# Altium PCB Tub_Board.PcbDoc (part 1 of 2) (continued)
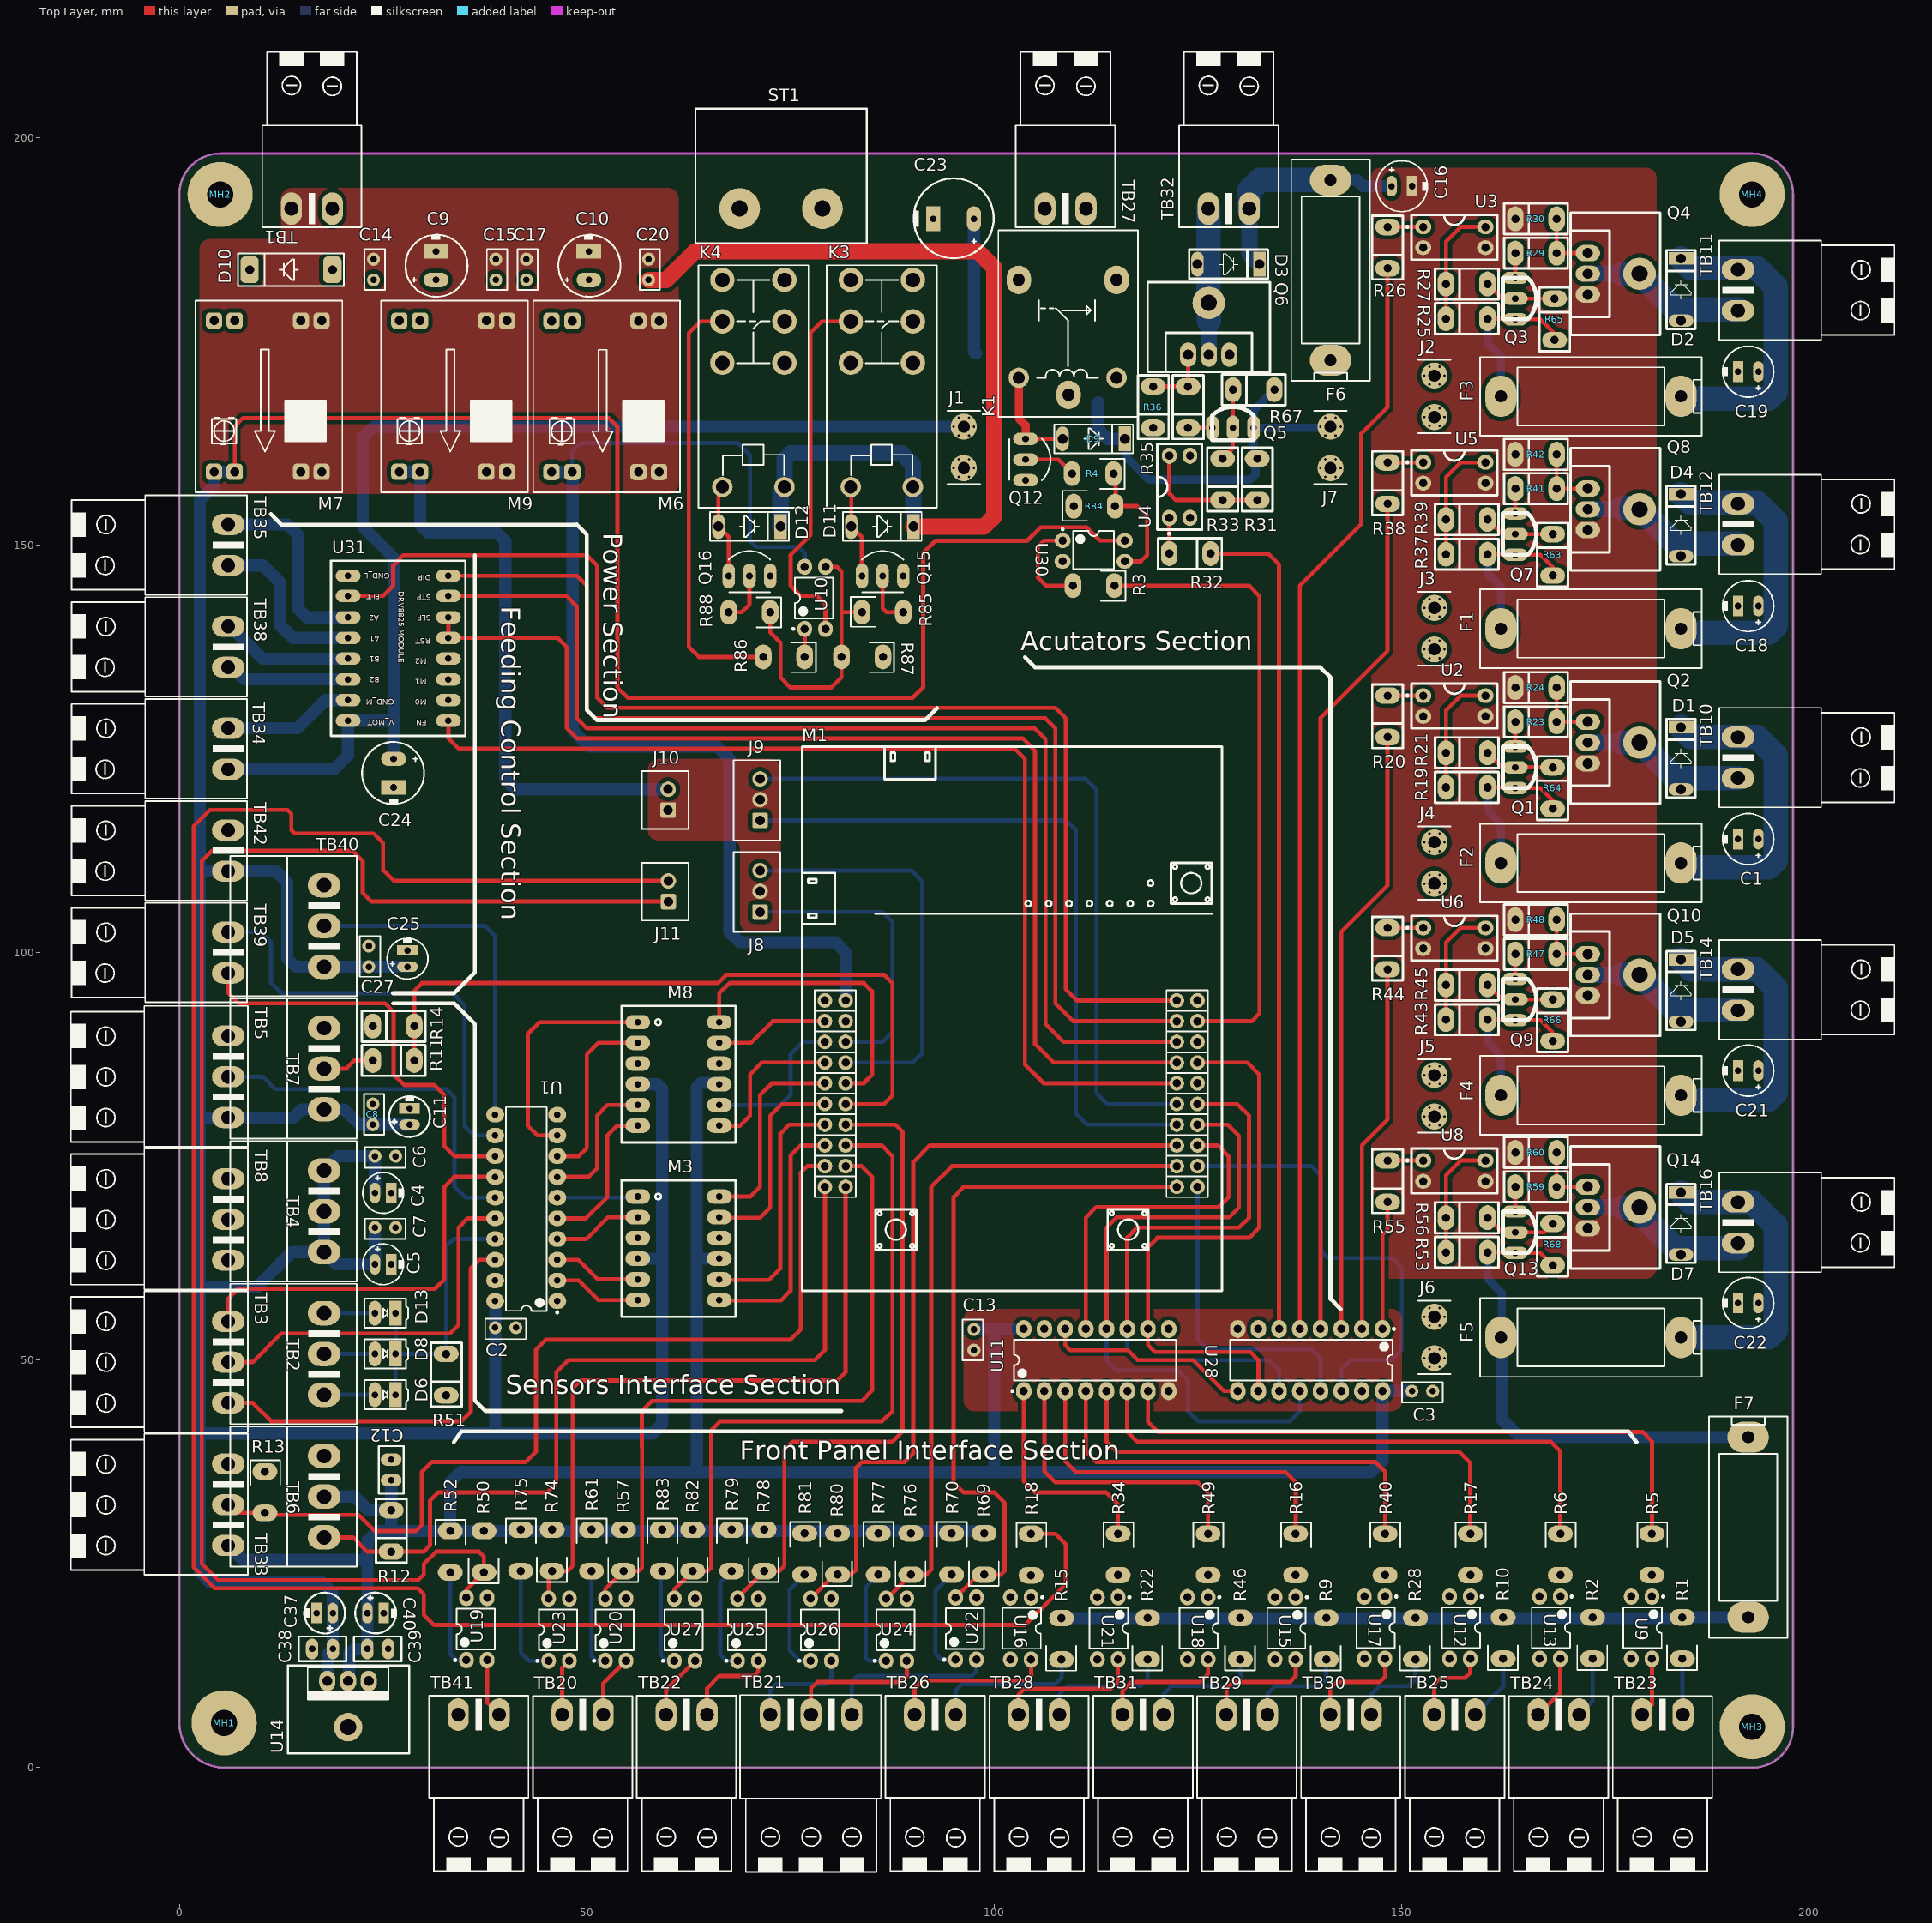
[diagram p0: Top Layer view]
## Components (designator, comment, footprint, x,y, rotation, side; value= is the part's Value field where it differs from the comment) (continued)
R47 "10R" R-THT_5.08MM-1/4W 163.92,99.804 r0 top
R48 "10K" R-THT_5.08MM-1/4W 163.92,104.014 r0 top
R49 "150R" "R - THT - P5.0 - 1/4W" 126.226,26.157 r270 top
R50 "10K" "R - THT - P5.0 - 1/4W" 37.375,26.49 r90 top
R51 "4.7K" R-THT_5.08MM-1/4W 32.75,45.67 r90 top
R52 "150R" "R - THT - P5.0 - 1/4W" 33.246,26.49 r270 top
R53 "10K" R-THT_5.08MM-1/4W 155.42,63.22 r0 top
R55 "220R" R-THT_5.08MM-1/4W 148.25,69.39 r90 top
R56 "1K" R-THT_5.08MM-1/4W 155.42,67.47 r0 top
R57 "10K" "R - THT - P5.0 - 1/4W" 54.5,26.65 r90 top
R59 "10R" R-THT_5.08MM-1/4W 163.92,71.26 r0 top
R60 "10K" R-THT_5.08MM-1/4W 163.92,75.47 r0 top
R61 "150R" "R - THT - P5.0 - 1/4W" 50.569,26.65 r270 top
R63 "10K" R-THT_5.08MM-1/4W 168.5,151.323 r270 top
R64 "10K" R-THT_5.08MM-1/4W 168.5,122.71 r270 top
R65 "10K" R-THT_5.08MM-1/4W 168.75,180.21 r270 top
R66 "10K" R-THT_5.08MM-1/4W 168.5,94.224 r270 top
R67 "10K" R-THT_5.08MM-1/4W 129.275,169.04 r0 top
R68 "10K" R-THT_5.08MM-1/4W 168.5,66.721 r270 top
R69 "10K" "R - THT - P5.0 - 1/4W" 98.75,26.21 r90 top
R70 "150R" "R - THT - P5.0 - 1/4W" 94.75,26.21 r270 top
R74 "10K" "R - THT - P5.0 - 1/4W" 45.75,26.65 r90 top
R75 "150R" "R - THT - P5.0 - 1/4W" 41.884,26.65 r270 top
R76 "10K" "R - THT - P5.0 - 1/4W" 89.75,26.21 r90 top
R77 "150R" "R - THT - P5.0 - 1/4W" 85.75,26.21 r270 top
R78 "10K" "R - THT - P5.0 - 1/4W" 71.75,26.65 r90 top
R79 "150R" "R - THT - P5.0 - 1/4W" 67.775,26.65 r270 top
R80 "10K" "R - THT - P5.0 - 1/4W" 80.75,26.21 r90 top
R81 "150R" "R - THT - P5.0 - 1/4W" 76.73,26.21 r270 top
R82 "10K" "R - THT - P5.0 - 1/4W" 63,26.65 r90 top
R83 "150R" "R - THT - P5.0 - 1/4W" 59.25,26.65 r270 top
R84 "10K" "R - THT - P5.0 - 1/4W" 112.29,154.75 r0 top
R85 "1K" "R - THT - P5.0 - 1/4W" 86.29,141.75 r0 top
R86 "1K" "R - THT - P5.0 - 1/4W" 74.19,136.25 r180 top
R87 "10K" "R - THT - P5.0 - 1/4W" 83.79,136.25 r180 top
R88 "1K" "R - THT - P5.0 - 1/4W" 69.96,141.75 r180 top
ST1 "SCREW TERMINAL" "SCREW TERMINAL" 73.83,191.25 r180 top
TB1 "2 Pins Pluggable" "TERMINAL BLOCK - 2 PINS - PACKAGE - PLUGGABLE - THT - P = 5.08MM - HORIZONTAL _ PLUG+RECEPTABLE" 16.265,191.25 r180 top
TB2 "3 Pins Pluggable" "TERMINAL BLOCK - 3 PINS - PACKAGE - PLUGGABLE - THT - P = 5.08MM - VERTICAL _ PLUG+RECEPTABLE" 17.75,50.75 r270 top
TB3 "3 Pins Pluggable" "TERMINAL BLOCK - 3 PINS - PACKAGE - PLUGGABLE - THT - P = 5.08MM - HORIZONTAL _ PLUG+RECEPTABLE" 6,49.75 r270 top
TB4 "3 Pins Pluggable" "TERMINAL BLOCK - 3 PINS - PACKAGE - PLUGGABLE - THT - P = 5.08MM - VERTICAL _ PLUG+RECEPTABLE" 17.75,68.25 r270 top
TB5 "3 Pins Pluggable" "TERMINAL BLOCK - 3 PINS - PACKAGE - PLUGGABLE - THT - P = 5.08MM - HORIZONTAL _ PLUG+RECEPTABLE" 6,84.75 r270 top
TB6 "3 Pins Pluggable" "TERMINAL BLOCK - 3 PINS - PACKAGE - PLUGGABLE - THT - P = 5.08MM - VERTICAL _ PLUG+RECEPTABLE" 17.75,33.25 r270 top
TB7 "3 Pins Pluggable" "TERMINAL BLOCK - 3 PINS - PACKAGE - PLUGGABLE - THT - P = 5.08MM - VERTICAL _ PLUG+RECEPTABLE" 17.75,85.75 r270 top
TB8 "3 Pins Pluggable" "TERMINAL BLOCK - 3 PINS - PACKAGE - PLUGGABLE - THT - P = 5.08MM - HORIZONTAL _ PLUG+RECEPTABLE" 6,67.25 r270 top
TB10 "2 Pins Pluggable" "TERMINAL BLOCK - 2 PINS - PACKAGE - PLUGGABLE - THT - P = 5.08MM - HORIZONTAL _ PLUG+RECEPTABLE" 191.25,123.905 r90 top
TB11 "2 Pins Pluggable" "TERMINAL BLOCK - 2 PINS - PACKAGE - PLUGGABLE - THT - P = 5.08MM - HORIZONTAL _ PLUG+RECEPTABLE" 191.25,181.235 r90 top
TB12 "2 Pins Pluggable" "TERMINAL BLOCK - 2 PINS - PACKAGE - PLUGGABLE - THT - P = 5.08MM - HORIZONTAL _ PLUG+RECEPTABLE" 191.25,152.518 r90 top
TB14 "2 Pins Pluggable" "TERMINAL BLOCK - 2 PINS - PACKAGE - PLUGGABLE - THT - P = 5.08MM - HORIZONTAL _ PLUG+RECEPTABLE" 191.25,95.42 r90 top
TB16 "2 Pins Pluggable" "TERMINAL BLOCK - 2 PINS - PACKAGE - PLUGGABLE - THT - P = 5.08MM - HORIZONTAL _ PLUG+RECEPTABLE" 191.25,66.876 r90 top
TB20 "2 Pins Pluggable" "TERMINAL BLOCK - 2 PINS - PACKAGE - PLUGGABLE - THT - P = 5.08MM - HORIZONTAL _ PLUG+RECEPTABLE" 49.485,6.5 r0 top
TB21 "3 Pins Pluggable" "TERMINAL BLOCK - 3 PINS - PACKAGE - PLUGGABLE - THT - P = 5.08MM - HORIZONTAL _ PLUG+RECEPTABLE" 77.511,6.5 r0 top
TB22 "2 Pins Pluggable" "TERMINAL BLOCK - 2 PINS - PACKAGE - PLUGGABLE - THT - P = 5.08MM - HORIZONTAL _ PLUG+RECEPTABLE" 62.235,6.507 r0 top
TB23 "2 Pins Pluggable" "TERMINAL BLOCK - 2 PINS - PACKAGE - PLUGGABLE - THT - P = 5.08MM - HORIZONTAL _ PLUG+RECEPTABLE" 181.985,6.5 r0 top
TB24 "2 Pins Pluggable" "TERMINAL BLOCK - 2 PINS - PACKAGE - PLUGGABLE - THT - P = 5.08MM - HORIZONTAL _ PLUG+RECEPTABLE" 169.235,6.5 r0 top
TB25 "2 Pins Pluggable" "TERMINAL BLOCK - 2 PINS - PACKAGE - PLUGGABLE - THT - P = 5.08MM - HORIZONTAL _ PLUG+RECEPTABLE" 156.485,6.507 r0 top
TB26 "2 Pins Pluggable" "TERMINAL BLOCK - 2 PINS - PACKAGE - PLUGGABLE - THT - P = 5.08MM - HORIZONTAL _ PLUG+RECEPTABLE" 92.735,6.507 r0 top
TB27 "2 Pins Pluggable" "TERMINAL BLOCK - 2 PINS - PACKAGE - PLUGGABLE - THT - P = 5.08MM - HORIZONTAL _ PLUG+RECEPTABLE" 108.735,191.25 r180 top
TB28 "2 Pins Pluggable" "TERMINAL BLOCK - 2 PINS - PACKAGE - PLUGGABLE - THT - P = 5.08MM - HORIZONTAL _ PLUG+RECEPTABLE" 105.485,6.507 r0 top
TB29 "2 Pins Pluggable" "TERMINAL BLOCK - 2 PINS - PACKAGE - PLUGGABLE - THT - P = 5.08MM - HORIZONTAL _ PLUG+RECEPTABLE" 130.985,6.5 r0 top
TB30 "2 Pins Pluggable" "TERMINAL BLOCK - 2 PINS - PACKAGE - PLUGGABLE - THT - P = 5.08MM - HORIZONTAL _ PLUG+RECEPTABLE" 143.735,6.5 r0 top
TB31 "2 Pins Pluggable" "TERMINAL BLOCK - 2 PINS - PACKAGE - PLUGGABLE - THT - P = 5.08MM - HORIZONTAL _ PLUG+RECEPTABLE" 118.235,6.507 r0 top
TB32 "2 Pins Pluggable" "TERMINAL BLOCK - 2 PINS - PACKAGE - PLUGGABLE - THT - P = 5.08MM - HORIZONTAL _ PLUG+RECEPTABLE" 128.765,191.25 r180 top
TB33 "3 Pins Pluggable" "TERMINAL BLOCK - 3 PINS - PACKAGE - PLUGGABLE - THT - P = 5.08MM - HORIZONTAL _ PLUG+RECEPTABLE" 6,32.25 r270 top
TB34 "2 Pins Pluggable" "TERMINAL BLOCK - 2 PINS - PACKAGE - PLUGGABLE - THT - P = 5.08MM - HORIZONTAL _ PLUG+RECEPTABLE" 6,124.985 r270 top
TB35 "2 Pins Pluggable" "TERMINAL BLOCK - 2 PINS - PACKAGE - PLUGGABLE - THT - P = 5.08MM - HORIZONTAL _ PLUG+RECEPTABLE" 6,149.985 r270 top
TB38 "2 Pins Pluggable" "TERMINAL BLOCK - 2 PINS - PACKAGE - PLUGGABLE - THT - P = 5.08MM - HORIZONTAL _ PLUG+RECEPTABLE" 6,137.485 r270 top
TB39 "2 Pins Pluggable" "TERMINAL BLOCK - 2 PINS - PACKAGE - PLUGGABLE - THT - P = 5.08MM - HORIZONTAL _ PLUG+RECEPTABLE" 6,99.985 r270 top
TB40 "3 Pins Pluggable" "TERMINAL BLOCK - 3 PINS - PACKAGE - PLUGGABLE - THT - P = 5.08MM - VERTICAL _ PLUG+RECEPTABLE" 17.75,103.25 r270 top
TB41 "2 Pins Pluggable" "TERMINAL BLOCK - 2 PINS - PACKAGE - PLUGGABLE - THT - P = 5.08MM - HORIZONTAL _ PLUG+RECEPTABLE" 36.735,6.507 r0 top
TB42 "2 Pins Pluggable" "TERMINAL BLOCK - 2 PINS - PACKAGE - PLUGGABLE - THT - P = 5.08MM - HORIZONTAL _ PLUG+RECEPTABLE" 6,112.485 r270 top
U1 "SN74HC244N" "ICB - DIP-20" 42.56,68.66 r180 top
U2 "PC 817" IC_DIP4 152.63,131.5 r0 top
U3 "PC 817" IC_DIP4 152.63,189 r0 top
U4 "PC 817" IC_DIP4 121.46,153.312 r90 top
U5 "PC 817" IC_DIP4 152.63,160.113 r0 top
U6 "PC 817" IC_DIP4 152.63,103.014 r0 top
U8 "PC 817" IC_DIP4 152.63,74.47 r0 top
U9 "PC817X4NSZ9F" "ICB - DIP-4" 179.42,17.17 r270 top
U10 "PC817X4NSZ9F" "ICB - DIP-4" 78,143.5 r90 top
U11 "SN74HC595N" "ICB - DIP-16" 112.5,50 r90 top
U12 "PC817X4NSZ9F" "ICB - DIP-4" 157.13,17.17 r270 top
U13 "PC817X4NSZ9F" "ICB - DIP-4" 168.17,17.17 r270 top
U14 "LM1117" "V-REG/HEATSINK - TO - 220" 20.7,7.46 r180 top
U15 "PC817X4NSZ9F" "ICB - DIP-4" 135.706,17.097 r270 top
U16 "PC817X4NSZ9F" "ICB - DIP-4" 103.241,17.077 r270 top
U17 "PC817X4NSZ9F" "ICB - DIP-4" 146.67,17.17 r270 top
U18 "PC817X4NSZ9F" "ICB - DIP-4" 124.956,17.097 r270 top
U19 "PC817X4NSZ9F" "ICB - DIP-4" 36.491,17.01 r90 top
U20 "PC817X4NSZ9F" "ICB - DIP-4" 53.534,16.92 r90 top
U21 "PC817X4NSZ9F" "ICB - DIP-4" 113.916,17.097 r270 top
U22 "PC817X4NSZ9F" "ICB - DIP-4" 96.52,17.06 r90 top
U23 "PC817X4NSZ9F" "ICB - DIP-4" 46.58,16.92 r90 top
U24 "PC817X4NSZ9F" "ICB - DIP-4" 87.98,16.92 r90 top
U25 "PC817X4NSZ9F" "ICB - DIP-4" 69.77,16.92 r90 top
U26 "PC817X4NSZ9F" "ICB - DIP-4" 78.73,16.92 r90 top
U27 "PC817X4NSZ9F" "ICB - DIP-4" 62.005,16.92 r90 top
U28 "SN74HC595N" "ICB - DIP-16" 138.75,50 r270 top
U30 "PC817X4NSZ9F" "ICB - DIP-4" 112.19,149.25 r0 top
U31 "DRV8825" drv8825 26.859,137.31 r180 top

## Footprints (in the part's own frame and the unit in brackets; to place one, negate y for a bottom-side part, rotate by r counter-clockwise, add the part's x,y. Pads: shape width x height; smd on the part's side, far side on the other; paste and mask are expansions set on the pad)
"CCAP 0.1 N Y" [mm] "CERAMIC CAP"
  oval 1.524x2.54 hole 0.8: 1(-1.27,0) 2(1.27,0)
  silkscreen extent -2.92,-1.52 2.92,1.52, body extent -2.9,-0.81 2.95,0.88, height 6.73
"CCAP - PACKAGE - THT ,P = 2.54 MM" [mm]
  round 1.6 hole 0.8: 1(-1.27,0) 2(1.27,0)
  silkscreen extent -2.5,-1.4 2.5,1.1, body extent -1.85,-1.17 1.85,0.92, height 3.5
"DC TO D CCONVERTER - MP1584" [mm]
  rrect50% 2x2 hole 1.1: +VIN(18.542,-2.54) +VIN(18.542,0) +VO(0,0) +VO(0,-2.54) -VIN(18.542,-13.208) -VIN(18.542,-10.668) -VO(0,-10.668) -VO(0,-13.208)
  silkscreen extent -2.5,-15.75 21,2.25, body extent -1.95,-15.3 20.45,1.8, height 12.2
"DIODE - THT - 2.54P - PACKAGE - DO-41" [mil]
  oval 60x120 hole 31.5: A(50,0)
  rect 60x120 hole 31.5: K(-50,0)
  silkscreen extent -110,-70 100,70, body extent -60,-49 99,49, height 258
"DIODE - THT - 7.62P - PACKAGE - DO-41" [mil]
  oval 60x120 hole 47.24: A(-150,0)
  rect 60x120 hole 47.24: K(150,0)
  silkscreen extent -190,-70 190,70, body extent -160,-48 160,50, height 99
"DIODE - THT - 10.16P - PACKAGE - DO-41" [mm]
  rrect50% 2.25x3.25 hole 1.1: A(-5.08,0) K(5.08,0)
  silkscreen extent -6.5,-2 6.5,2, body extent -5.33,-1.27 5.33,1.22, height 2.52
DIODE-1N400X_0.3 [mil]
  oval 60x120 hole 47.24: A(-150,0)
  rect 60x120 hole 47.24: K(150,0)
  silkscreen extent -190,-70 190,70, body extent -160,-48 160,50, height 99
drv8825 [mil]
  oval 120x60 hole 31.5: A1(242.5,-50) A2(242.5,-150) B1(242.5,50) B2(242.5,150) DIR(-242.5,-350) ENABLE(-242.5,350) FAULT(242.5,-253) GND_L(242.5,-350) GND_MOT(242.5,250) M0(-242.5,250) M1(-242.5,150) M2(-242.5,50) RESET(-242.5,-50) SLEEP(-242.5,-150) STEP(-242.5,-253) V_MOT(242.5,350)
  silkscreen extent -325,-423 325,423, body extent -292,-410 293,409, height 388
"ECAP 5X11X2MM" [mm] "polarized cap"
  oval 1.27x2.54 hole 0.8: A(0,0)
  rect 1.27x2.54 hole 0.8: K(2,0)
  silkscreen extent -1.5,-2.5 3.5,2.5, body extent -1.5,-2.5 3.51,2.5, height 11.01
"ECAP - THT - 5X11X2MM" [mm] "polarized cap"
  oval 1.27x2.54 hole 0.8: A(-1,0)
  rect 1.27x2.54 hole 0.8: K(1,0)
  silkscreen extent -2.5,-2.5 2.5,2.5, body extent -2.5,-2.5 2.51,2.5, height 11.01
"ECAP - THT - 6.3X11X2.5MM" [mm] "polarized cap"
  oval 1.27x2.54 hole 0.8: A(-1.25,-0.001)
  rect 1.27x2.54 hole 0.8: K(1.25,0.001)
  silkscreen extent -3.13,-3.13 3.13,3.13, body extent -3.15,-3.15 3.16,3.15, height 11.01
"ECAP - THT - 8X12X3.5MM" [mm] "polarized cap"
  oval 1.778x3.048 hole 0.8: A(-1.75,0)
  rect 1.778x3.048 hole 0.8: K(1.75,0)
  silkscreen extent -3.82,-3.87 3.8,3.75, body extent -4,-4 4.01,4, height 11.51
"ECAP - THT - 10X20X5MM" [mm] "polarized cap"
  oval 1.778x3.048 hole 0.8: A(-2.5,0)
  rect 1.778x3.048 hole 0.8: K(2.5,0)
  silkscreen extent -4.91,-4.96 4.89,4.84, body extent -5,-5 5.01,5, height 20.01
"FUSE-BLX-A HOLDER" [mm]
  oval 3.81x5.08 hole 1.5: 1(-11.049,0) 2(11.049,0)
  silkscreen extent -13.59,-4.83 13.59,4.83, body extent -13.5,-4.8 13.67,4.8, height 13.07
IC_DIP4 [mm]
  oval 2x1.8 hole 1: 1(0,0) 2(0,-2.54) 3(7.62,-2.54) 4(7.62,0)
  silkscreen extent -2.07,-4.02 9.06,1.48, body extent -1.27,-3.88 8.93,1.35, height 7.88
"ICB - DIP-4" [mm]
  oval 2x1.8 hole 1: 1(-3.81,1.27) 2(-3.81,-1.27) 3(3.81,-1.27) 4(3.81,1.27)
  silkscreen extent -3.93,-2.23 2.49,2.78, body extent -5.08,-2.61 5.12,2.62, height 7.88
"ICB - DIP-16" [mm]
  oval 2.2x1.9 hole 1: 1(-3.81,8.89) 2(-3.81,6.35) 3(-3.81,3.81) 4(-3.81,1.27) 5(-3.81,-1.27) 6(-3.81,-3.81) 7(-3.81,-6.35) 8(-3.81,-8.89) 9(3.81,-8.89) 10(3.81,-6.35) 11(3.81,-3.81) 12(3.81,-1.27) 13(3.81,1.27) 14(3.81,3.81) 15(3.81,6.35) 16(3.81,8.89)
  silkscreen extent -3.93,-9.81 2.49,10.39, body extent -5.08,-10.46 5.12,10.46, height 7.88
"ICB - DIP-20" [mm]
  oval 2.2x1.9 hole 0.8: 1(-3.81,11.43) 2(-3.81,8.89) 3(-3.81,6.35) 4(-3.81,3.81) 5(-3.81,1.27) 6(-3.81,-1.27) 7(-3.81,-3.81) 8(-3.81,-6.35) 9(-3.81,-8.89) 10(-3.81,-11.43) 11(3.81,-11.43) 12(3.81,-8.89) 13(3.81,-6.35) 14(3.81,-3.81) 15(3.81,-1.27) 16(3.81,1.27) 17(3.81,3.81) 18(3.81,6.35) 19(3.81,8.89) 20(3.81,11.43)
  silkscreen extent -3.94,-12.37 2.49,12.93, body extent -5.08,-13.07 5.12,13.08, height 7.88
"Logic Level Shifter" [mil]
  oval 120x70 hole 31.5: 1(0,0) 2(0,-100) 3(0,-200) 4(0,-300) 5(0,-400) 6(0,-500) 7(393.7,-500) 8(393.7,-400) 9(393.7,-300) 10(393.7,-200) 11(393.7,-100) 12(393.7,0)
  silkscreen extent -79,-581 472,79, body extent -57,-561 451,59, height 547
MH-3.2X8MM_ROUND [mm]
  round 8 hole 3.2: MH(0,0)
"R - THT - P5.0 - 1/4W" [mil]
  oval 80x120 hole 39.37: 1(-100,0) 2(100,0)
  silkscreen extent -154,-71 -35,74, body extent -144,-45 110,46, height 421
R-THT_5.08MM-1/4W [mil]
  oval 80x120 hole 39.37: 1(0,0) 2(200,0)
  silkscreen extent -54,-75 254,74, body extent -44,-45 210,46, height 421
"RELAY - THT - 10A" [mm]
  oval 3x3.5 hole 1.5: 1(-0.1,7.05) 2(6,-7.05) 3(-6,-7.05)
  round 2.5 hole 1.5: 4(-6,4.95) 5(6,4.95)
  silkscreen extent -8.6,-13.15 8.5,9.75, body extent -8.5,-13.05 8.4,9.65, height 20
RELAY-TH_SMIH-12VDC-SL-C [mm]
  round 2.5 hole 1.6: 1(-12.7,-3.81) 8(-12.7,3.81)
  round 3 hole 1.8: 2(2.54,-3.81) 3(7.62,-3.81) 4(12.7,-3.81) 5(12.7,3.81) 6(7.62,3.81) 7(2.54,3.81)
  silkscreen extent -15.25,-6.75 14.5,6.75, body extent -15,-6.35 14,6.35, height 17.85
"SCREW TERMINAL" [mm]
  round 5 hole 2: 1(-5.08,0) 2(5.08,0)
  silkscreen extent -10.5,-12.25 10.5,4.25, body extent -10.52,-12.18 10.53,4.32, height 18.5
"TERMINAL BLOCK - 2 PINS - PACKAGE - PLUGGABLE - THT - P = 5.08MM - HORIZONTAL _ PLUG+RECEPTABLE" [mm]
  oval 2.6x4 hole 1.7: 1(-2.515,0) 2(2.515,0)
  silkscreen extent -6.1,-19.2 6.1,2.3, body extent -5.88,-19 5.88,2, height 15.2
"TERMINAL BLOCK - 3 PINS - PACKAGE - PLUGGABLE - THT - P = 5.08MM - HORIZONTAL _ PLUG+RECEPTABLE" [mm]
  oval 2.6x4 hole 1.7: 1(-5,0) 2(0,0) 3(5,0)
  silkscreen extent -8.7,-19.3 8.6,2.4, body extent -8.42,-19.1 8.42,1.9, height 15.16
"TERMINAL BLOCK - 3 PINS - PACKAGE - PLUGGABLE - THT - P = 5.08MM - VERTICAL _ PLUG+RECEPTABLE" [mm]
  oval 3x4 hole 1.8: 1(-5,0) 2(0,0) 3(5,0)
  silkscreen extent -8.6,-11.5 8.6,4, body extent -8.42,-11.1 8.42,3.9, height 21.11
"Terminal Male Flat 6.3mm" [mm]
  round 3.2 hole 1.5: 1(-2.54,0) 2(2.54,0)
  silkscreen extent -4.5,-2 4.5,2, body extent -3.96,-1.54 3.96,1.54, height 10.4
TIVA-C [mm] "EK-TM4C123GXL: Tiva C Microcontroller LaunchPad Evaluation Kit"
  round 1.8 hole 1: 3.3V(-22.86,11.43) GND(-20.32,8.89) GND(22.86,11.43) P30(22.86,6.35) PA2(22.86,-11.43) PA3(22.86,-8.89) PA4(22.86,-6.35) PA5(-22.86,-6.35) PA6(-22.86,-8.89) PA7(-22.86,-11.43) PB0(-22.86,6.35) PB1(-22.86,3.81) PB2(22.86,8.89) PB3(20.32,6.35) PB4(-22.86,-3.81) PB5(-22.86,8.89) PB6(22.86,-3.81) PB7(22.86,-1.27) PC4(20.32,3.81) PC5(20.32,1.27) PC6(20.32,-1.27) PC7(20.32,-3.81) PD0(-20.32,6.35) PD1(-20.32,3.81) PD2(-20.32,1.27) PD3(-20.32,-1.27) PD6(20.32,-6.35) PD7(20.32,-8.89) PE1(-20.32,-3.81) PE2(-20.32,-6.35) PE3(-20.32,-8.89) PE4(-22.86,1.27) PE5(-22.86,-1.27) PF0(22.86,3.81) PF1(-20.32,-11.43) PF2(20.32,11.43) PF3(20.32,8.89) PF4(20.32,-11.43) RST(22.86,1.27) VBUS(-20.32,11.43)
  silkscreen extent -25.65,-24.18 25.85,42.57, body extent -25.3,-23.93 25.5,42.11, height 20.5
"Transistor - THT - PACKAGE - TO-92 / TO-92-3" [mil] "TO-92-S"
  oval 60x120 hole 31.5: 1(100,0) 2(0,0) 3(-100,0)
  silkscreen extent -100,-79 100,120, body extent -110,-63 110,102, height 294
TRANSISTOR-TO-92A [mil] "TO-92-S"
  oval 60x120 hole 31.5: 1(100,0) 2(0,0) 3(-100,0)
  silkscreen extent -100,-60 100,101, body extent -110,-63 110,102, height 294
"TRANSISTOR/HEATSINK -TO-220" [mm] "TO-220_HS"
  oval 2x3 hole 1.25: 1(-2.54,-3.175) 2(0,-3.175) 3(2.54,-3.175)
  round 4 hole 2: 2(0,3.175)
  silkscreen extent -7.5,-5.3 7.5,5.7, body extent -7.49,-5.33 7.51,5.67, height 20
"V-REG/HEATSINK - TO - 220" [mm]
  oval 2x2.5 hole 1.25: 1(-2.54,-3.175) 2(0,-3.175) 3(2.54,-3.175)
  round 3.5 hole 2: 2(0,2.5)
  silkscreen extent -7.49,-5.08 7.37,5.72, body extent -7.42,-5.02 7.37,5.78, height 25
"XH - 2P - Vertical - Package - THT - P = 2.54" [mm] "Through Hole,P=2.5mm"
  rrect25% 1.9x1.9 hole 1.15: 1(-1.27,0)
  round 1.9 hole 1.15: 2(1.27,0)
  silkscreen extent -3.59,-2.49 3.5,3.25, body extent -3.59,-2.49 3.59,3.35, height 7.31
"XH - 3P - Vertical - Package - THT - P = 2.54" [mm]
  rrect25% 1.9x1.9 hole 1.15: 1(-2.54,0)
  round 1.9 hole 1.15: 2(0,0) 3(2.54,0)
  silkscreen extent -5,-2.5 4.84,3.25, body extent -4.84,-2.49 4.84,3.35, height 7.31

## Part data
C1 C16 C18 C19 C21 C22: library part "ECAP - 47uF - 50V", "47uF ±20% 50V 6.3x11 1000Hrs @ 105? Radial,6.3x11mm Aluminum Electrolytic Capacitors - Leaded RoHS"
C2: library part "CCAP - 1nF - 50V - THT - P = 2.54", "1nF ±20% 50V Through Hole,P=2.54mm Ceramic Disc Capacitors RoHS"
C3 C6 C7 C8 C13 C14 C15 C17 C20 C27: library part "CCAP - 100nF - 50V - THT - P = 2.54", "100nF -20%~+80% 50V Through Hole,P=2.54mm Ceramic Disc Capacitors RoHS"
C4 C5 C25: library part "ECAP - 4.7uF - 35V", "4.7uF ±20% 35V 5x11 7000Hrs @ 105? Radial,5x11mm Aluminum Electrolytic Capacitors - Leaded RoHS"
C9 C10 C24: library part "ECAP - 100uF - 50V", "100uF ±20% 50V 8x12 1000Hrs @ 105? Radial,8x12mm Aluminum Electrolytic Capacitors - Leaded RoHS"
C11: library part ECAP-1uF-50V, "1uF ±20% 50V 5x11 1000Hrs @ 105? Radial,5x11mm Aluminum Electrolytic Capacitors - Leaded RoHS"
C12 C38 C39: library part Ceramic_CAP_100nF
C23: library part "ECAP - 470uF - 50V", "470uF ±20% 50V 10x20 1000Hrs @ 105? Radial,10x20mm Aluminum Electrolytic Capacitors - Leaded RoHS"
C37 C40: library part ECAP-10uF-50V, "10uF ±20% 50V 5x11 1000Hrs @ 105? Radial,5x11mm Aluminum Electrolytic Capacitors - Leaded RoHS"
D6 D8 D9 D10 D11 D12 D13: library part "Diode - 1N4007 - THT", "1kV 1A 1V @ 1A DO-41 Diodes - General Purpose RoHS"
J1 J2 J3 J4 J5 J6 J7: library part "Terminal Male Flat 6.3mm", "Solder Tab Terminal; Uninsulated; Tin over Copper Plated; Straight; 6.35x0.83mm", Package=None, Availability=Unavailable, MF="TE Connectivity", MP=1217861-1, Price=None, SnapEDA_Link=https://www.snapeda.com/parts/1217861-1/TE%20Connectivity%20AMP%20Connectors/view-part/?ref=snap, TE_purchase_URL=https://www.te.com/usa-en/product-1217861-1.html?te_bu=Cor&te_type=disp&te_campaign=seda_glo_cor-seda-global-disp-prtnr-fy19-seda-model-bom-cta_sma-317_1&elqCampaignId=32493
J8 J9: library part "XH - Male Header - 3P - THT - Vertical", "XH Header Male Pin 0.098\"(2.50mm) 3 Pins Through Hole,P=2.5mm Wire To Board / Wire To Wire Connector RoHS", Manufacturer="JST Sales America", Package="Through Hole,P=2.5mm", Mfr.Part #=B3B-XH-A(LF)(SN)
J10 J11: library part "XH - Male Header - 2P - THT - Vertical", "XH Header Male Pin 0.098\" (2.50mm) 2 Pins Through Hole,P=2.5mm Wire To Board / Wire To Wire Connector RoHS", Manufacturer="JST Sales America", Package="Through Hole,P=2.5mm", Mfr.Part #=B2B-XH-A(LF)(SN)
K1: library part Relay_12V_10A, "SPDT Relay", LatestRevisionDate=17-Jul-2002, LatestRevisionNote="Re-released for DXP Platform.", PackageReference=MODULE5B, Published=8-Jun-2000, Publisher="Altium Limited"
K3 K4: library part Relay_12V_16A, "General Purpose Non Latching 12VDC SPDT 16A Through Hole Relays RoHS"
M1: library part Tiva-C, "EK-TM4C123GXL: Tiva C Microcontroller LaunchPad Evaluation KitEK-TM4C123GXL: Tiva C Microcontroller LaunchPad Evaluation Kit"
M3 M8: "Logic Level Converter Bi-Directional - Works with 5V / 3.3V / 2.8V / 1.8V"
M6 M7 M9: library part "DC TO DC CONVERTER - MP1584EN", "DC-DC 4.5-28V to 0.8-20V Output 3A MP1584EN Step Down Buck Converter"
MH1 MH2 MH3 MH4: library part MH, "Mounting Hole"
Q2 Q4 Q6 Q8 Q10 Q14: "N Channel 55V 110A 4V @ 250uA 8mO @ 62A,10V 200W TO-220(TO-220-3) MOSFET RoHS", Package="D2PAK Infineon", Availability=Unavailable, MF="Infineon Technologies", MP=IRF3205SPBF, Price=None, SnapEDA_Link=https://www.snapeda.com/parts/IRF3205SPBF/Infineon%20Technologies/view-part/576468/?ref=snap
Q12 Q15 Q16: library part "NPN - BC337", "NPN 800mA 45V 625mW TO-92(TO-92-3) Transistors (NPN/PNP) RoHS"
R1 R2 R9 R10 R15 R22 R28 R46: library part "R470R - THT", "470R ±1% 1/4W ±100ppm/? Axial Metal Film Resistor_ Throuh Hole Technology RoHS"
R3: library part "R220R - THT", "220R ±1% 1/4W ±100ppm/? Axial Metal Film Resistor_ Throuh Hole Technology RoHS"
R4 R85 R86 R88: library part "R1K - THT", "1K ±1% 1/4W ±100ppm/? Axial Metal Film Resistor_ Throuh Hole Technology RoHS"
R5 R6 R16 R17 R18 R34 R40 R49 R52 R61 R70 R75 R77 R79 R81 R83: library part "R150R - THT", "150R ±1% 1/4W ±100ppm/? Axial Metal Film Resistor_ Throuh Hole Technology RoHS"
R11 R21 R27 R33 R39 R45 R56: library part R1K-THT, "1K ±1% 1/4W ±100ppm/? Axial Metal Film Resistor_ Throuh Hole Technology RoHS"
R12 R51: library part R4.7K-THT, "4.7K ±1% 1/4W ±100ppm/? Axial Metal Film Resistor_ Throuh Hole Technology RoHS"
R13 R50 R57 R69 R74 R76 R78 R80 R82 R84 R87: library part "R10K - THT", "10K ±1% 1/4W ±100ppm/? Axial Metal Film Resistor_ Throuh Hole Technology RoHS"
R14: library part R2.2K-THT, "2.2K ±1% 1/4W ±100ppm/? Axial Metal Film Resistor_ Throuh Hole Technology RoHS"
R19 R24 R25 R30 R31 R36 R37 R42 R43 R48 R53 R60 R63 R64 R65 R66 R67 R68: library part R10K-THT, "10K ±1% 1/4W ±100ppm/? Axial Metal Film Resistor_ Throuh Hole Technology RoHS"
R20 R26 R32 R38 R44 R55: library part R220R-THT, "220R ±1% 1/4W ±100ppm/? Axial Metal Film Resistor_ Throuh Hole Technology RoHS"
R23 R29 R35 R41 R47 R59: library part R10R-THT, "10R ±1% 1/4W ±100ppm/? Axial Metal Film Resistor_ Throuh Hole Technology RoHS"
ST1: "Barrier Terminal Block 2 Pin with cover 300V/25A"
TB1 TB10 TB11 TB12 TB14 TB16 TB20 TB22 TB23 TB24 TB25 TB26 TB27 TB28 TB29 TB30 TB31 TB32 TB34 TB35 TB38 TB39 TB41 TB42: library part "Terminal Block - 2 Pins - Pluggable", "Terminal Block 2 Pin 15A 300V  (28-14 AWG) P=5.08mm Through Hole Pluggable System Terminal Block RoHS"
TB2 TB4 TB6 TB7 TB40: library part "Terminal Block - 3 Pins - Pluggable - Vertical", "Terminal Block 3 Pin 15A 300V  (28-14 AWG) P=5.08mm Through Hole Pluggable System Terminal Block RoHS"
TB3 TB5 TB8 TB21 TB33: library part "Terminal Block - 3 Pins - Pluggable", "Terminal Block 3 Pin 15A 300V  (28-14 AWG) P=5.08mm Through Hole Pluggable System Terminal Block RoHS"
U1: library part "IC - SN74HC244N", "74HC Buffers,Non-Opposite Side DIP-20 Logic-Buffers, Drivers, Receivers, Transceivers RoHS"
U2 U3 U4 U5 U6 U8: "4-Pin Phototransistor Optocoupler", DatasheetVersion=Nov-2003, LatestRevisionDate=04-Mar-2005, LatestRevisionNote="Sch pins 3 & 4 Swapped.", PackageReference=DIP-4, Published=24-Mar-1999, Publisher="Altium Limited"
U9 U10 U12 U13 U15 U16 U17 U18 U19 U20 U21 U22 U23 U24 U25 U26 U27 U30: library part "IC - PC817X4NSZ9F", "Optoisolator Transistor Output 5000Vrms 1 Channel 4-DIP", Manufacturer="Sharp Microelectronics", Package=DIP-4, Mfr.Part #=PC817X4NSZ9F
U11 U28: library part "IC - SN74HC595N", "Serial to Parallel or Serial Shift Register Supplementary type DIP-16 Shift Registers RoHS", Manufacturer="Texas Instruments", Package=DIP-16, Mfr.Part #=SN74HC595N
U14: library part LM117, "IC LM1117-3.3V"
U31: "MEGAPI STEPPER MOTOR DRIVER"

## Via types
v1: diameter 0.6, hole 0.3, Top Layer to Bottom Layer, 84 vias

## Nets (pads, with @x,y where several pads share a name; then routed paths per layer and width w, separated by ;. In a path a pad name is that pad's centre, name@x,y a point inside that pad or via, vN(x,y) a via of type N, cw(c..) or ccw(c..) an arc to the next point about the centre after c; other vN are vias at no path point)
3.3V: C3.1 C12.1 C13.1 C39.1 C40.A M3.9 M8.9 R12.2 R50.2 R52.1 R57.2 R61.1 R69.2 R70.1 R74.2 R75.1 R76.2 R77.1 R78.2 R79.1 R80.2 R81.1 R82.2 R83.1 TB6.2 TB33.3 U11.16 U14.2 U28.16 | length 347.6
  Bottom Layer w1.5: TB33.3@6,27.25 7.75,25.5 23.08,25.5 ; TB6.2@17.75,33.25 21.5,33.25 23.17,31.58 R12.2@26,31.58 ; U14.2@20.7,10.635 20.842,10.635 20.842,14 21.406,14.565 C39.1@23.08,14.565 C40.A@23.08,18.96 23.08,25.5 ; C12.1@26,35.25 R12.2@26,31.58 ; R75.1@41.884,29.03 R52.1@33.246,29.03 ; M3.9@66.25,62.44 63.666,62.44 63.476,62.25 ; M8.9@66.25,83.83 66.08,84 64,84 63.476,83.476 63.476,62.25 ; C13.1@97.5,53.75 97.56,53.81 100,53.81 ; R69.2@98.75,28.75 98.47,29.03 85.75,29.03 71.75,29.03 63,29.03 R52.1@33.246,29.03 ; U11.16@103.61,53.81 100,53.81 ; C3.1@151.25,46.19 U28.16@147.64,46.19 147.64,37.64 146.25,36.25 100,36.25 ; 23.08,25.5 23.08,27.83 24.28,29.03 26,29.03 ; 26,29.03 R52.1@33.246,29.03 ; 26,29.03 R12.2@26,31.58 ; R52.1@33.246,29.03 33.246,35 34.496,36.25 63.5,36.25 ; 63.476,62.25 63.476,56.45 63.5,56.426 63.5,36.25 ; 63.5,36.25 100,36.25 ; 100,36.25 100,53.81
+5V_S: C2.1 C4.A C5.A C6.1 C7.1 C8.1 C11.A C25.A C27.1 C37.A C38.1 M3.4 M7.+VO M8.4 TB4.1 TB4.2 TB4.3 TB5.3 TB7.3 TB40.3 TB42.2 U1.20 U14.3 U30.4 | length 567.5
  Top Layer w0.5: M7.+VO@6.79,158.958 6.79,164.54 7.803,165.553 52.697,165.553 53.75,164.5 53.75,132.5 55,131.25 90,131.25 91.25,132.5 91.25,149 92.75,150.5 104.008,150.5 105.678,152.17 111.33,152.17 112.98,150.52 U30.4@116,150.52
  Bottom Layer w1.5: M7.+VO@6.79,158.958 M7.+VO@4.25,158.958 4.292,158.916 4.292,157.292 2.5,155.5 2.5,110 2.529,109.971 ; U14.3@18.16,10.635 18.302,10.777 18.302,14.037 C38.1@18.83,14.565 C37.A@18.83,18.96 18.83,21.42 17.5,22.75 3.75,22.75 2.5,24 2.5,41.25 ; C7.1@24,66.25 C5.A@24,61.75 19.25,61.75 TB4.3@17.75,63.25 ; C4.A@24,70.5 C6.1@24,75 19.5,75 TB4.1@17.75,73.25 TB4.2@17.75,68.25 TB4.3@17.75,63.25 ; C25.A@28,98.25 TB40.3@17.75,98.25 14.25,98.25 13.25,99.25 13.25,108.58 11.859,109.971 TB42.2@6,109.971 2.529,109.971 ; C11.A@28.25,78.87 C8.1@23.75,78.87 22.13,78.87 20.25,80.75 TB7.3@17.75,80.75 15,80.75 14,79.75 TB5.3@6,79.75 2.75,79.75 2.5,80 ; U1.20@38.75,57.23 C2.1@38.75,53.97 38.75,41 ; M3.4@56.25,62.44 59.19,62.44 59.25,62.5 ; M8.4@56.25,83.83 58.67,83.83 59.25,83.25 59.25,62.5 ; 2.5,41.25 2.5,59 ; 2.5,41.25 2.75,41 38.75,41 ; 2.5,59 9.55,59 13.8,63.25 TB4.3@17.75,63.25 ; 2.5,59 2.5,80 ; 2.5,80 2.5,109.942 2.529,109.971 ; 38.75,41 58.085,41 59.25,42.165 59.25,62.5
+7V: J10.2 M9.+VO | length 70
  Bottom Layer w1.5: M9.+VO@27,158.958 M9.+VO@29.54,158.958 29.54,152.46 30.5,151.5 38.958,151.5 40,150.458 40,121.221 41.201,120.02 J10.2@59.98,120.02